# KiCad board hologram v3.kicad_pcb (continued)
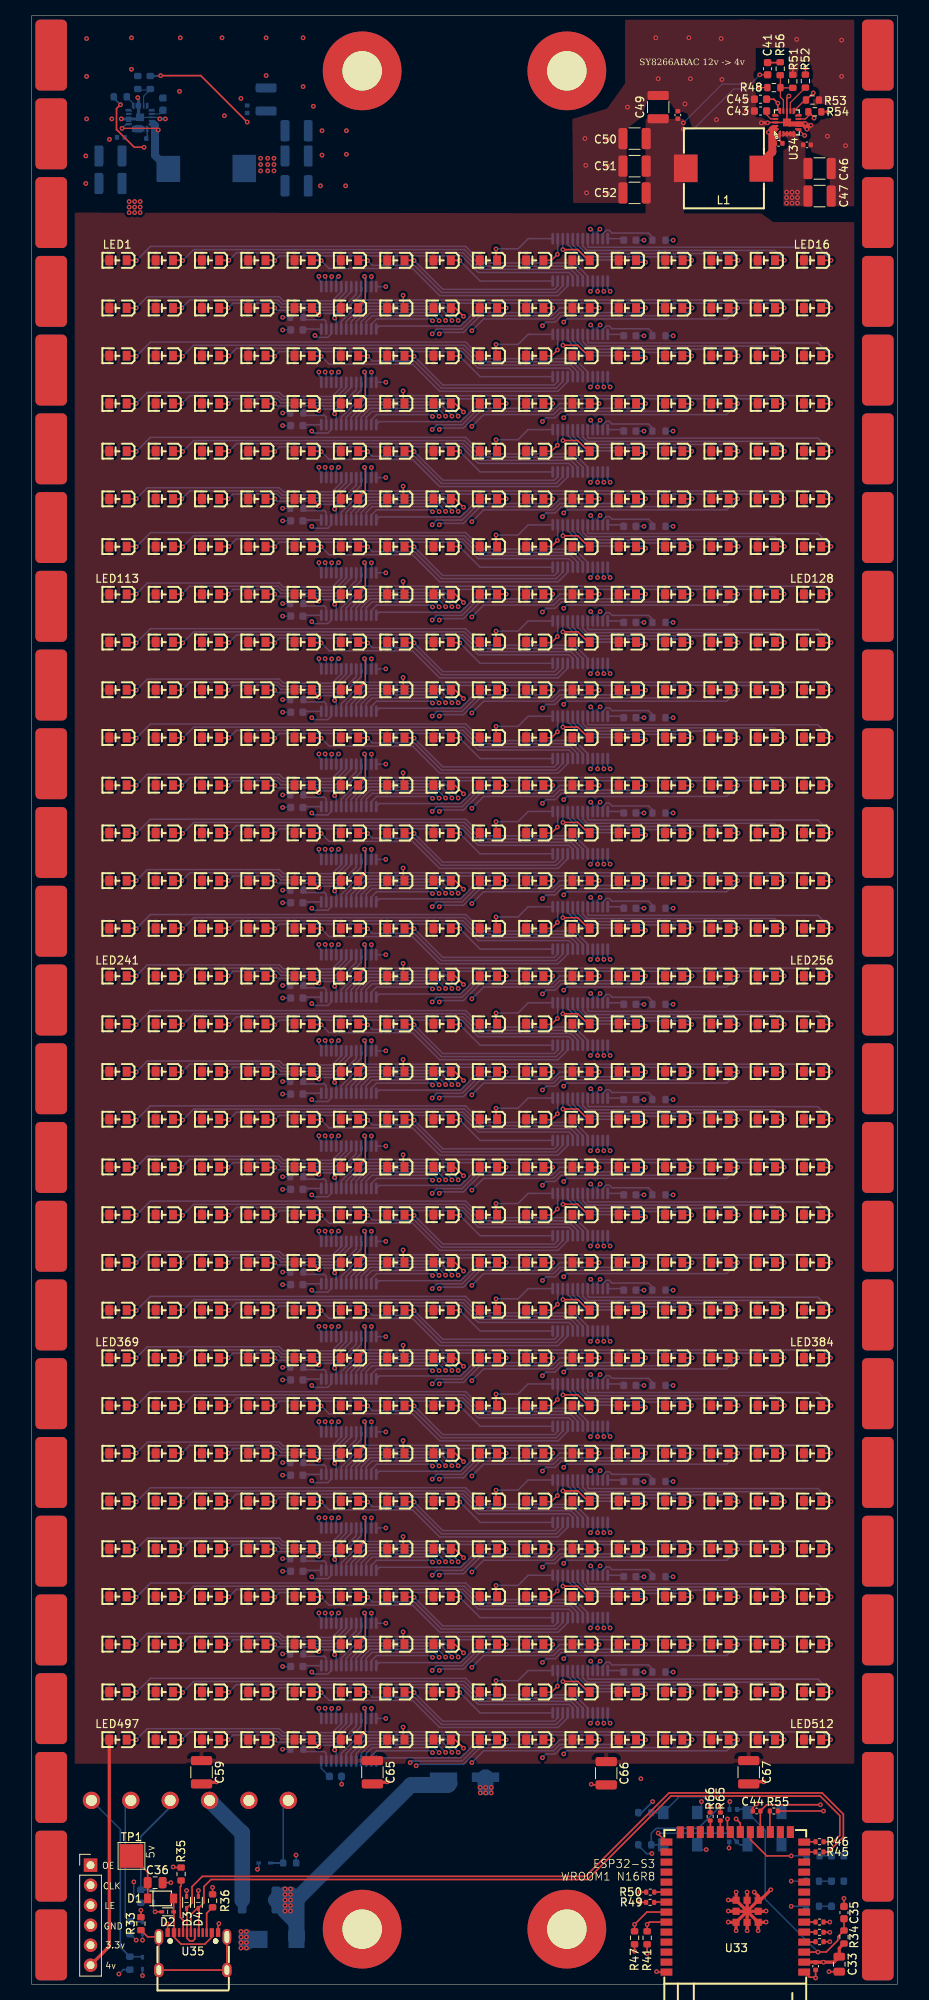
[diagram p0: board, top side]
## Routing (per net, layer and track width the routed paths; a pad name or vN(x,y) marks a point on that pad's centre or on a via; arc(x,y) is an arc through that point) (continued)
  In4.Cu w0.2: v1(50.94,174.92) 50.9,174.88 v1(50.9,173.25)
  Bottom w0.2: v1(66.2,176.55) 66.2,176.25 65.9,175.95 56.8,175.95 54.7,173.85 51.5,173.85 v1(50.9,173.25) ; v1(50.94,174.92) 50.71,175.15 43.83,175.15 43.16,174.48 U8.14
Net-(LED123-K): length 35.5
  Top w0.2: 70.76,176.53 72.08,176.53 v1(72.1,176.55)
  In4.Cu w0.2: v1(51.8,173.25) 51.8,174.9 v1(51.78,174.93)
  Bottom w0.2: v1(72.1,176.55) 67.1,176.55 66.1,175.55 56.97,175.55 56.97,175.53 54.87,173.43 51.98,173.43 v1(51.8,173.25) ; U8.15 42.52,174.81 43.26,175.55 51.15,175.55 v1(51.78,174.93)
Net-(LED124-K): length 41.1
  Top w0.2: v1(78,176.55) 77.98,176.53 76.64,176.53
  In4.Cu w0.2: v1(55.93,173.65) 53.8,173.65 52.6,174.85 v1(52.6,174.95)
  Bottom w0.2: v1(78,176.55) 77.4,175.95 67.1,175.95 66.3,175.15 57.43,175.15 v1(55.93,173.65) ; U8.16 41.89,174.81 43.03,175.95 51.6,175.95 v1(52.6,174.95)
Net-(LED125-K): length 47.5
  Top w0.2: 82.52,176.53 83.88,176.53 v1(83.9,176.55)
  In4.Cu w0.2: v1(64.9,174.28) 64.85,174.33 53.97,174.33 53.4,174.9 v1(53.4,174.95)
  Bottom w0.2: v1(53.4,174.95) 53.42,174.98 53.42,175.03 52.1,176.35 42.79,176.35 41.25,174.81 U8.17 ; v1(83.9,176.55) 82.9,175.55 67.3,175.55 66.5,174.75 65.38,174.75 v1(64.9,174.28)
Net-(LED126-K): length 53.8
  Top w0.2: v1(89.7,176.55) 89.68,176.53 88.4,176.53
  In4.Cu w0.2: v1(67.6,174.75) 67.48,174.88 54.28,174.88 v1(54.2,174.95)
  Bottom w0.2: v1(89.7,176.55) 88.3,175.15 68,175.15 v1(67.6,174.75) ; U8.18 40.62,174.81 42.56,176.75 52.5,176.75 54.2,175.05 v1(54.2,174.95)
Net-(LED127-K): length 59.1
  Top w0.2: v1(95.6,176.55) 95.58,176.53 94.29,176.53
  Bottom w0.2: U8.19 39.98,174.81 42.32,177.15 95,177.15 v1(95.6,176.55)
Net-(LED128-K): length 66
  Top w0.2: v1(101.5,176.55) 101.48,176.53 100.17,176.53
  Bottom w0.2: U8.20 39.35,174.81 42.09,177.55 100.5,177.55 v1(101.5,176.55)
Net-(LED129-K): length 61.7
  Top w0.2: 11.93,170.39 13.26,170.39 v1(13.3,170.35)
  Bottom w0.2: v1(13.3,170.35) 15.1,172.15 55.15,172.15 57.25,170.05 68.98,170.05 70.65,168.38 U9.5
Net-(LED130-K): length 54.8
  Top w0.2: v1(19.2,170.35) 19.16,170.39 17.81,170.39
  Bottom w0.2: U9.6 70.02,168.37 68.74,169.65 57.09,169.65 54.98,171.75 20.6,171.75 v1(19.2,170.35)
Net-(LED131-K): length 47.9
  Top w0.2: v1(25.06,170.39) 23.7,170.39
  Bottom w0.2: v1(25.06,170.39) 26.02,171.35 54.82,171.35 56.92,169.25 68.51,169.25 69.38,168.38 U9.7
Net-(LED132-K): length 41.1
  Top w0.2: v1(30.9,170.35) 30.86,170.39 29.58,170.39
  Bottom w0.2: v1(30.9,170.35) 31.5,170.95 54.65,170.95 56.75,168.85 68.27,168.85 68.75,168.37 U9.8
Net-(LED133-K): length 35.6
  Top w0.2: v1(36.8,170.35) 36.76,170.39 35.46,170.39
  Bottom w0.2: U9.9 68.11,167.14 66.88,165.91 51.84,165.91 48.4,169.35 37.8,169.35 v1(36.8,170.35)
Net-(LED134-K): length 28.8
  Top w0.2: 41.34,170.39 42.66,170.39 v1(42.7,170.35)
  Bottom w0.2: v1(42.7,170.35) 43.3,169.75 48.63,169.75 52.07,166.31 66.64,166.31 67.48,167.15 U9.10
Net-(LED135-K): length 21.9
  Top w0.2: v1(48.6,170.35) 48.56,170.39 47.23,170.39
  Bottom w0.2: v1(48.6,170.35) 52.24,166.71 66.41,166.71 66.84,167.14 U9.11
Net-(LED136-K): length 14.2
  Top w0.2: v1(54.4,170.35) 54.36,170.39 53.11,170.39
  Bottom w0.2: U9.12 56.99,167.76 v1(54.4,170.35)
Net-(LED137-K): length 9.2
  Top w0.2: v1(59,171.85) 59,170.4 58.99,170.39
  Bottom w0.2: U9.13 63.09,173.14 61.8,171.85 v1(59,171.85)
Net-(LED138-K): length 4.2
  Top w0.2: 64.87,170.39 66.04,170.39 v1(66.8,171.15)
  Bottom w0.2: U9.14 66.84,171.29 66.8,171.25 v1(66.8,171.15)
Net-(LED139-K): length 5.9
  Top w0.2: v1(67.5,171.75) 69.4,171.75 70.76,170.39
  Bottom w0.2: v1(67.5,171.75) 67.5,173.12 U9.15 67.48,172.47
Net-(LED140-K): length 13.1
  Top w0.2: 76.64,170.39 76.88,170.15 v1(78,170.15)
  Bottom w0.2: v1(78,170.15) 78,170.35 77.9,170.45 70.09,170.45 68.11,172.42 U9.16
Net-(LED141-K): length 18.1
  Top w0.2: v1(83.86,170.39) 82.52,170.39
  Bottom w0.2: U9.17 68.75,172.35 70.25,170.85 83.4,170.85 v1(83.86,170.39)
Net-(LED142-K): length 23.4
  Top w0.2: v1(89.76,170.39) 88.4,170.39
  Bottom w0.2: U9.18 69.38,172.29 70.42,171.25 88.9,171.25 v1(89.76,170.39)
Net-(LED143-K): length 28.7
  Top w0.2: v1(95.64,170.39) 94.29,170.39
  Bottom w0.2: v1(95.64,170.39) 94.38,171.65 70.58,171.65 70.02,172.21 U9.19
Net-(LED144-K): length 34
  Top w0.2: v1(101.56,170.39) 100.17,170.39
  Bottom w0.2: v1(101.56,170.39) 99.9,172.05 70.75,172.05 70.65,172.15 U9.20
Net-(LED145-K): length 29.3
  Top w0.2: 11.93,164.33 13.28,164.33 v1(13.3,164.35)
  Bottom w0.2: U10.5 39.35,166.4 38.2,165.25 31.98,165.25 31.48,165.75 14.7,165.75 v1(13.3,164.35)
Net-(LED146-K): length 24.1
  Top w0.2: v1(19.1,164.35) 19.08,164.33 17.81,164.33
  Bottom w0.2: U10.6 39.98,166.42 38.41,164.85 31.82,164.85 31.32,165.35 30.48,165.35 30.48,165.35 20.1,165.35 v1(19.1,164.35)
Net-(LED147-K): length 18.8
  Top w0.2: 23.7,164.33 24.98,164.33 v1(25,164.35)
  Bottom w0.2: U10.7 40.62,166.43 38.64,164.45 31.65,164.45 31.15,164.95 30.65,164.95 30.65,164.95 25.6,164.95 v1(25,164.35)
Net-(LED148-K): length 13.6
  Top w0.2: 29.58,164.33 30.88,164.33 v1(30.9,164.35)
  Bottom w0.2: v1(30.9,164.35) 31.2,164.05 39.21,164.05 41.25,166.09 U10.8
Net-(LED149-K): length 8.8
  Top w0.2: 35.46,164.33 35.62,164.33 v1(36.5,163.45)
  Bottom w0.2: v1(36.5,163.45) 36.7,163.65 39.45,163.65 41.89,166.09 U10.9
Net-(LED150-K): length 5.9
  Top w0.2: v1(42.3,168.35) 42.4,168.25 42.4,165.39 41.34,164.33
  Bottom w0.2: v1(42.3,168.35) 42.52,168.13 U10.10
Net-(LED151-K): length 8.2
  Top w0.2: 47.23,164.33 47.23,165.93 v1(47.2,165.95)
  In4.Cu w0.2: v1(43.18,168.33) 43.18,167.98 45.2,165.95 v1(47.2,165.95)
  Bottom w0.2: v1(43.18,168.33) 43.2,168.3 43.2,167.08 U10.11
Net-(LED152-K): length 14.9
  Top w0.2: v1(54.88,163.28) 53.82,164.33 53.11,164.33
  In4.Cu w0.2: v1(54.88,163.28) 51.1,167.05 v1(45,167.05)
  Bottom w0.2: v1(45,167.05) 43.8,167.05 U10.12
Net-(LED153-K): length 18.9
  Top w0.2: 58.99,164.33 60.28,164.33 v1(60.3,164.35)
  Bottom w0.2: v1(60.3,164.35) 56.8,164.35 54.5,162.05 52.03,162.05 52.03,162.05 51.53,162.05 51.53,162.05 44.18,162.05 U10.13
Net-(LED154-K): length 28.6
  Top w0.2: 64.87,164.33 66.18,164.33 v1(66.2,164.35)
  In4.Cu w0.2: v1(50.94,162.72) 50.9,162.68 v1(50.9,161.05)
  Bottom w0.2: v1(50.9,161.05) 51.5,161.65 54.7,161.65 56.8,163.75 65.9,163.75 66.2,164.05 v1(66.2,164.35) ; U10.14 43.16,162.28 43.83,162.95 50.71,162.95 v1(50.94,162.72)
Net-(LED155-K): length 35.5
  Top w0.2: v1(72.1,164.35) 72.08,164.33 70.76,164.33
  In4.Cu w0.2: v1(51.78,162.73) 51.8,162.7 v1(51.8,161.05)
  Bottom w0.2: v1(51.78,162.73) 51.15,163.35 43.26,163.35 42.52,162.61 U10.15 ; v1(72.1,164.35) 67.1,164.35 66.1,163.35 56.97,163.35 56.97,163.33 54.87,161.23 51.98,161.23 v1(51.8,161.05)
Net-(LED156-K): length 41.1
  Top w0.2: 76.64,164.33 77.98,164.33 v1(78,164.35)
  In4.Cu w0.2: v1(52.6,162.75) 52.6,162.65 53.8,161.45 v1(55.93,161.45)
  Bottom w0.2: v1(78,164.35) 77.4,163.75 67.1,163.75 66.3,162.95 57.43,162.95 v1(55.93,161.45) ; v1(52.6,162.75) 51.6,163.75 43.03,163.75 41.89,162.61 U10.16
Net-(LED157-K): length 47.5
  Top w0.2: v1(83.9,164.35) 83.88,164.33 82.52,164.33
  In4.Cu w0.2: v1(53.4,162.75) 53.4,162.7 53.97,162.13 64.85,162.13 v1(64.9,162.08)
  Bottom w0.2: v1(64.9,162.08) 65.38,162.55 66.5,162.55 67.3,163.35 82.9,163.35 v1(83.9,164.35) ; v1(53.4,162.75) 53.42,162.78 53.42,162.83 52.1,164.15 42.79,164.15 41.25,162.61 U10.17
Net-(LED158-K): length 53.8
  Top w0.2: v1(89.7,164.35) 89.68,164.33 88.4,164.33
  In4.Cu w0.2: v1(67.6,162.55) 67.48,162.68 54.28,162.68 v1(54.2,162.75)
  Bottom w0.2: v1(89.7,164.35) 88.3,162.95 68,162.95 v1(67.6,162.55) ; v1(54.2,162.75) 54.2,162.85 52.5,164.55 42.56,164.55 40.62,162.61 U10.18
Net-(LED159-K): length 59.1
  Top w0.2: 94.29,164.33 95.58,164.33 v1(95.6,164.35)
  Bottom w0.2: v1(95.6,164.35) 95,164.95 42.32,164.95 39.98,162.61 U10.19
Net-(LED160-K): length 66
  Top w0.2: 100.17,164.33 101.48,164.33 v1(101.5,164.35)
  Bottom w0.2: U10.20 39.35,162.61 42.09,165.35 100.5,165.35 v1(101.5,164.35)
Net-(LED161-K): length 61.7
  Top w0.2: 11.93,158.29 13.26,158.29 v1(13.3,158.25)
  Bottom w0.2: v1(13.3,158.25) 15.1,160.05 55.15,160.05 57.25,157.95 68.98,157.95 70.65,156.28 U11.5
Net-(LED162-K): length 54.8
  Top w0.2: v1(19.2,158.25) 19.16,158.29 17.81,158.29
  Bottom w0.2: U11.6 70.02,156.27 68.74,157.55 57.09,157.55 54.98,159.65 20.6,159.65 v1(19.2,158.25)
Net-(LED163-K): length 47.9
  Top w0.2: v1(25.06,158.29) 23.7,158.29
  Bottom w0.2: U11.7 69.38,156.28 68.51,157.15 56.92,157.15 54.82,159.25 26.02,159.25 v1(25.06,158.29)
Net-(LED164-K): length 41.1
  Top w0.2: v1(30.9,158.25) 30.86,158.29 29.58,158.29
  Bottom w0.2: U11.8 68.75,156.27 68.27,156.75 56.75,156.75 54.65,158.85 31.5,158.85 v1(30.9,158.25)
Net-(LED165-K): length 35.6
  Top w0.2: 35.46,158.29 36.76,158.29 v1(36.8,158.25)
  Bottom w0.2: U11.9 68.11,155.04 66.88,153.81 51.84,153.81 48.4,157.25 37.8,157.25 v1(36.8,158.25)
Net-(LED166-K): length 28.8
  Top w0.2: v1(42.7,158.25) 42.66,158.29 41.34,158.29
  Bottom w0.2: v1(42.7,158.25) 43.3,157.65 48.63,157.65 52.07,154.21 66.64,154.21 67.48,155.05 U11.10
Net-(LED167-K): length 21.9
  Top w0.2: v1(48.6,158.25) 48.56,158.29 47.23,158.29
  Bottom w0.2: U11.11 66.84,155.04 66.41,154.61 52.24,154.61 v1(48.6,158.25)
Net-(LED168-K): length 14.2
  Top w0.2: 53.11,158.29 54.36,158.29 v1(54.4,158.25)
  Bottom w0.2: v1(54.4,158.25) 56.99,155.66 U11.12
Net-(LED169-K): length 9.2
  Top w0.2: v1(59,159.75) 59,158.3 58.99,158.29
  Bottom w0.2: U11.13 63.09,161.04 61.8,159.75 v1(59,159.75)
Net-(LED170-K): length 4.2
  Top w0.2: 64.87,158.29 66.04,158.29 v1(66.8,159.05)
  Bottom w0.2: v1(66.8,159.05) 66.8,159.15 66.84,159.19 U11.14
Net-(LED171-K): length 5.9
  Top w0.2: v1(67.5,159.65) 69.4,159.65 70.76,158.29
  Bottom w0.2: 67.48,160.37 U11.15 67.5,161.02 v1(67.5,159.65)
Net-(LED172-K): length 13.1
  Top w0.2: 76.64,158.29 76.88,158.05 v1(78,158.05)
  Bottom w0.2: v1(78,158.05) 78,158.25 77.9,158.35 70.09,158.35 68.11,160.32 U11.16
Net-(LED173-K): length 18.1
  Top w0.2: v1(83.86,158.29) 82.52,158.29
  Bottom w0.2: v1(83.86,158.29) 83.4,158.75 70.25,158.75 68.75,160.25 U11.17
Net-(LED174-K): length 23.4
  Top w0.2: v1(89.76,158.29) 88.4,158.29
  Bottom w0.2: U11.18 69.38,160.19 70.42,159.15 88.9,159.15 v1(89.76,158.29)
Net-(LED175-K): length 28.7
  Top w0.2: v1(95.64,158.29) 94.29,158.29
  Bottom w0.2: v1(95.64,158.29) 94.38,159.55 70.58,159.55 70.02,160.11 U11.19
Net-(LED176-K): length 34
  Top w0.2: v1(101.56,158.29) 100.17,158.29
  Bottom w0.2: v1(101.56,158.29) 99.9,159.95 70.75,159.95 70.65,160.05 U11.20
Net-(LED177-K): length 29.3
  Top w0.2: 11.93,152.23 13.28,152.23 v1(13.3,152.25)
  Bottom w0.2: v1(13.3,152.25) 14.7,153.65 31.48,153.65 31.98,153.15 38.2,153.15 39.35,154.3 U12.5
Net-(LED178-K): length 24.1
  Top w0.2: 17.81,152.23 19.08,152.23 v1(19.1,152.25)
  Bottom w0.2: U12.6 39.98,154.32 38.41,152.75 31.82,152.75 31.32,153.25 30.48,153.25 30.48,153.25 20.1,153.25 v1(19.1,152.25)
Net-(LED179-K): length 18.8
  Top w0.2: 23.7,152.23 24.98,152.23 v1(25,152.25)
  Bottom w0.2: U12.7 40.62,154.33 38.64,152.35 31.65,152.35 31.15,152.85 30.65,152.85 30.65,152.85 25.6,152.85 v1(25,152.25)
Net-(LED180-K): length 13.6
  Top w0.2: 29.58,152.23 30.88,152.23 v1(30.9,152.25)
  Bottom w0.2: U12.8 41.25,153.99 39.21,151.95 31.2,151.95 v1(30.9,152.25)
Net-(LED181-K): length 8.8
  Top w0.2: v1(36.5,151.35) 35.62,152.23 35.46,152.23
  Bottom w0.2: v1(36.5,151.35) 36.7,151.55 39.45,151.55 41.89,153.99 U12.9
Net-(LED182-K): length 5.9
  Top w0.2: v1(42.3,156.25) 42.4,156.15 42.4,153.29 41.34,152.23
  Bottom w0.2: v1(42.3,156.25) 42.52,156.03 U12.10
Net-(LED183-K): length 8.2
  Top w0.2: v1(47.2,153.85) 47.23,153.83 47.23,152.23
  In4.Cu w0.2: v1(47.2,153.85) 45.2,153.85 43.18,155.88 v1(43.18,156.23)
  Bottom w0.2: U12.11 43.2,154.98 43.2,156.2 v1(43.18,156.23)
Net-(LED184-K): length 14.9
  Top w0.2: v1(54.88,151.18) 53.82,152.23 53.11,152.23
  In4.Cu w0.2: v1(45,154.95) 51.1,154.95 v1(54.88,151.18)
  Bottom w0.2: U12.12 43.8,154.95 v1(45,154.95)
Net-(LED185-K): length 18.9
  Top w0.2: v1(60.3,152.25) 60.28,152.23 58.99,152.23
  Bottom w0.2: v1(60.3,152.25) 56.8,152.25 54.5,149.95 52.03,149.95 52.03,149.95 51.53,149.95 51.53,149.95 44.18,149.95 U12.13
Net-(LED186-K): length 28.6
  Top w0.2: 64.87,152.23 66.18,152.23 v1(66.2,152.25)
  In4.Cu w0.2: v1(50.94,150.62) 50.9,150.58 v1(50.9,148.95)
  Bottom w0.2: U12.14 43.16,150.18 43.83,150.85 50.71,150.85 v1(50.94,150.62) ; v1(66.2,152.25) 66.2,151.95 65.9,151.65 56.8,151.65 54.7,149.55 51.5,149.55 v1(50.9,148.95)
Net-(LED187-K): length 35.5
  Top w0.2: 70.76,152.23 72.08,152.23 v1(72.1,152.25)
  In4.Cu w0.2: v1(51.78,150.63) 51.8,150.6 v1(51.8,148.95)
  Bottom w0.2: v1(51.8,148.95) 51.98,149.13 54.87,149.13 56.97,151.23 56.97,151.25 66.1,151.25 67.1,152.25 v1(72.1,152.25) ; v1(51.78,150.63) 51.15,151.25 43.26,151.25 42.52,150.51 U12.15
Net-(LED188-K): length 41.1
  Top w0.2: v1(78,152.25) 77.98,152.23 76.64,152.23
  In4.Cu w0.2: v1(55.93,149.35) 53.8,149.35 52.6,150.55 v1(52.6,150.65)
  Bottom w0.2: v1(52.6,150.65) 51.6,151.65 43.03,151.65 41.89,150.51 U12.16 ; v1(55.93,149.35) 57.43,150.85 66.3,150.85 67.1,151.65 77.4,151.65 v1(78,152.25)
Net-(LED189-K): length 47.5
  Top w0.2: 82.52,152.23 83.88,152.23 v1(83.9,152.25)
  In4.Cu w0.2: v1(64.9,149.98) 64.85,150.03 53.97,150.03 53.4,150.6 v1(53.4,150.65)
  Bottom w0.2: v1(83.9,152.25) 82.9,151.25 67.3,151.25 66.5,150.45 65.38,150.45 v1(64.9,149.98) ; U12.17 41.25,150.51 42.79,152.05 52.1,152.05 53.42,150.73 53.42,150.68 v1(53.4,150.65)
Net-(LED190-K): length 53.8
  Top w0.2: v1(89.7,152.25) 89.68,152.23 88.4,152.23
  In4.Cu w0.2: v1(54.2,150.65) 54.28,150.58 67.48,150.58 v1(67.6,150.45)
  Bottom w0.2: v1(54.2,150.65) 54.2,150.75 52.5,152.45 42.56,152.45 40.62,150.51 U12.18 ; v1(67.6,150.45) 68,150.85 88.3,150.85 v1(89.7,152.25)
Net-(LED191-K): length 59.1
  Top w0.2: 94.29,152.23 95.58,152.23 v1(95.6,152.25)
  Bottom w0.2: v1(95.6,152.25) 95,152.85 42.32,152.85 39.98,150.51 U12.19
Net-(LED192-K): length 66
  Top w0.2: v1(101.5,152.25) 101.48,152.23 100.17,152.23
  Bottom w0.2: v1(101.5,152.25) 100.5,153.25 42.09,153.25 39.35,150.51 U12.20
Net-(LED193-K): length 61.7
  Top w0.2: v1(13.3,146.15) 13.26,146.19 11.93,146.19
  Bottom w0.2: U13.5 70.65,144.18 68.98,145.85 57.25,145.85 55.15,147.95 15.1,147.95 v1(13.3,146.15)
Net-(LED194-K): length 54.8
  Top w0.2: v1(19.2,146.15) 19.16,146.19 17.81,146.19
  Bottom w0.2: v1(19.2,146.15) 20.6,147.55 54.98,147.55 57.09,145.45 68.74,145.45 70.02,144.17 U13.6
Net-(LED195-K): length 47.9
  Top w0.2: v1(25.06,146.19) 23.7,146.19
  Bottom w0.2: v1(25.06,146.19) 26.02,147.15 54.82,147.15 56.92,145.05 68.51,145.05 69.38,144.18 U13.7
Net-(LED196-K): length 41.1
  Top w0.2: v1(30.9,146.15) 30.86,146.19 29.58,146.19
  Bottom w0.2: v1(30.9,146.15) 31.5,146.75 54.65,146.75 56.75,144.65 68.27,144.65 68.75,144.17 U13.8
Net-(LED197-K): length 35.6
  Top w0.2: 35.46,146.19 36.76,146.19 v1(36.8,146.15)
  Bottom w0.2: v1(36.8,146.15) 37.8,145.15 48.4,145.15 51.84,141.71 66.88,141.71 68.11,142.94 U13.9
Net-(LED198-K): length 28.8
  Top w0.2: v1(42.7,146.15) 42.66,146.19 41.34,146.19
  Bottom w0.2: U13.10 67.48,142.95 66.64,142.11 52.07,142.11 48.63,145.55 43.3,145.55 v1(42.7,146.15)
Net-(LED199-K): length 21.9
  Top w0.2: v1(48.6,146.15) 48.56,146.19 47.23,146.19
  Bottom w0.2: v1(48.6,146.15) 52.24,142.51 66.41,142.51 66.84,142.94 U13.11
Net-(LED200-K): length 14.2
  Top w0.2: v1(54.4,146.15) 54.36,146.19 53.11,146.19
  Bottom w0.2: v1(54.4,146.15) 56.99,143.56 U13.12
Net-(LED201-K): length 9.2
  Top w0.2: 58.99,146.19 59,146.2 v1(59,147.65)
  Bottom w0.2: v1(59,147.65) 61.8,147.65 63.09,148.94 U13.13
Net-(LED202-K): length 4.2
  Top w0.2: 64.87,146.19 66.04,146.19 v1(66.8,146.95)
  Bottom w0.2: U13.14 66.84,147.09 66.8,147.05 v1(66.8,146.95)
Net-(LED203-K): length 5.9
  Top w0.2: 70.76,146.19 69.4,147.55 v1(67.5,147.55)
  Bottom w0.2: 67.48,148.27 U13.15 67.5,148.92 v1(67.5,147.55)
Net-(LED204-K): length 13.1
  Top w0.2: v1(78,145.95) 76.88,145.95 76.64,146.19
  Bottom w0.2: U13.16 68.11,148.22 70.09,146.25 77.9,146.25 78,146.15 v1(78,145.95)
Net-(LED205-K): length 18.1
  Top w0.2: v1(83.86,146.19) 82.52,146.19
  Bottom w0.2: U13.17 68.75,148.15 70.25,146.65 83.4,146.65 v1(83.86,146.19)
Net-(LED206-K): length 23.4
  Top w0.2: v1(89.76,146.19) 88.4,146.19
  Bottom w0.2: v1(89.76,146.19) 88.9,147.05 70.42,147.05 69.38,148.09 U13.18
Net-(LED207-K): length 28.7
  Top w0.2: v1(95.64,146.19) 94.29,146.19
  Bottom w0.2: v1(95.64,146.19) 94.38,147.45 70.58,147.45 70.02,148.01 U13.19
Net-(LED208-K): length 34
  Top w0.2: v1(101.56,146.19) 100.17,146.19
  Bottom w0.2: v1(101.56,146.19) 99.9,147.85 70.75,147.85 70.65,147.95 U13.20
Net-(LED209-K): length 29.3
  Top w0.2: 11.93,140.13 13.28,140.13 v1(13.3,140.15)
  Bottom w0.2: U14.5 39.35,142.2 38.2,141.05 31.98,141.05 31.48,141.55 14.7,141.55 v1(13.3,140.15)
Net-(LED210-K): length 24.1
  Top w0.2: v1(19.1,140.15) 19.08,140.13 17.81,140.13
  Bottom w0.2: v1(19.1,140.15) 20.1,141.15 30.48,141.15 30.48,141.15 31.32,141.15 31.82,140.65 38.41,140.65 39.98,142.22 U14.6
Net-(LED211-K): length 18.8
  Top w0.2: 23.7,140.13 24.98,140.13 v1(25,140.15)
  Bottom w0.2: U14.7 40.62,142.23 38.64,140.25 31.65,140.25 31.15,140.75 30.65,140.75 30.65,140.75 25.6,140.75 v1(25,140.15)
Net-(LED212-K): length 13.6
  Top w0.2: 29.58,140.13 30.88,140.13 v1(30.9,140.15)
  Bottom w0.2: U14.8 41.25,141.89 39.21,139.85 31.2,139.85 v1(30.9,140.15)
Net-(LED213-K): length 8.8
  Top w0.2: 35.46,140.13 35.62,140.13 v1(36.5,139.25)
  Bottom w0.2: v1(36.5,139.25) 36.7,139.45 39.45,139.45 41.89,141.89 U14.9
Net-(LED214-K): length 5.9
  Top w0.2: v1(42.3,144.15) 42.4,144.05 42.4,141.19 41.34,140.13
  Bottom w0.2: v1(42.3,144.15) 42.52,143.93 U14.10
Net-(LED215-K): length 8.2
  Top w0.2: 47.23,140.13 47.23,141.73 v1(47.2,141.75)
  In4.Cu w0.2: v1(47.2,141.75) 45.2,141.75 43.18,143.78 v1(43.18,144.13)
  Bottom w0.2: U14.11 43.2,142.88 43.2,144.1 v1(43.18,144.13)
Net-(LED216-K): length 14.9
  Top w0.2: 53.11,140.13 53.82,140.13 v1(54.88,139.08)
  In4.Cu w0.2: v1(54.88,139.08) 51.1,142.85 v1(45,142.85)
  Bottom w0.2: U14.12 43.8,142.85 v1(45,142.85)
Net-(LED217-K): length 18.9
  Top w0.2: 58.99,140.13 60.28,140.13 v1(60.3,140.15)
  Bottom w0.2: v1(60.3,140.15) 56.8,140.15 54.5,137.85 52.03,137.85 52.03,137.85 51.53,137.85 51.53,137.85 44.18,137.85 U14.13
Net-(LED218-K): length 28.6
  Top w0.2: 64.87,140.13 66.18,140.13 v1(66.2,140.15)
  In4.Cu w0.2: v1(50.9,136.85) 50.9,138.48 v1(50.94,138.52)
  Bottom w0.2: v1(50.94,138.52) 50.71,138.75 43.83,138.75 43.16,138.08 U14.14 ; v1(66.2,140.15) 66.2,139.85 65.9,139.55 56.8,139.55 54.7,137.45 51.5,137.45 v1(50.9,136.85)
Net-(LED219-K): length 35.5
  Top w0.2: 70.76,140.13 72.08,140.13 v1(72.1,140.15)
  In4.Cu w0.2: v1(51.78,138.53) 51.8,138.5 v1(51.8,136.85)
  Bottom w0.2: v1(72.1,140.15) 67.1,140.15 66.1,139.15 56.97,139.15 56.97,139.13 54.87,137.03 51.98,137.03 v1(51.8,136.85) ; U14.15 42.52,138.41 43.26,139.15 51.15,139.15 v1(51.78,138.53)
Net-(LED220-K): length 41.1
  Top w0.2: 76.64,140.13 77.98,140.13 v1(78,140.15)
  In4.Cu w0.2: v1(52.6,138.55) 52.6,138.45 53.8,137.25 v1(55.93,137.25)
  Bottom w0.2: U14.16 41.89,138.41 43.03,139.55 51.6,139.55 v1(52.6,138.55) ; v1(78,140.15) 77.4,139.55 67.1,139.55 66.3,138.75 57.43,138.75 v1(55.93,137.25)
Net-(LED221-K): length 47.5
  Top w0.2: v1(83.9,140.15) 83.88,140.13 82.52,140.13
  In4.Cu w0.2: v1(53.4,138.55) 53.4,138.5 53.97,137.93 64.85,137.93 v1(64.9,137.88)
  Bottom w0.2: v1(83.9,140.15) 82.9,139.15 67.3,139.15 66.5,138.35 65.38,138.35 v1(64.9,137.88) ; U14.17 41.25,138.41 42.79,139.95 52.1,139.95 53.42,138.63 53.42,138.58 v1(53.4,138.55)
Net-(LED222-K): length 53.8
  Top w0.2: v1(89.7,140.15) 89.68,140.13 88.4,140.13
  In4.Cu w0.2: v1(54.2,138.55) 54.28,138.48 67.48,138.48 v1(67.6,138.35)
  Bottom w0.2: v1(89.7,140.15) 88.3,138.75 68,138.75 v1(67.6,138.35) ; U14.18 40.62,138.41 42.56,140.35 52.5,140.35 54.2,138.65 v1(54.2,138.55)
Net-(LED223-K): length 59.1
  Top w0.2: v1(95.6,140.15) 95.58,140.13 94.29,140.13
  Bottom w0.2: U14.19 39.98,138.41 42.32,140.75 95,140.75 v1(95.6,140.15)
Net-(LED224-K): length 66
  Top w0.2: 100.17,140.13 101.48,140.13 v1(101.5,140.15)
  Bottom w0.2: U14.20 39.35,138.41 42.09,141.15 100.5,141.15 v1(101.5,140.15)
Net-(LED225-K): length 61.7
  Top w0.2: 11.93,134.09 13.26,134.09 v1(13.3,134.05)
  Bottom w0.2: v1(13.3,134.05) 15.1,135.85 55.15,135.85 57.25,133.75 68.98,133.75 70.65,132.08 U15.5
Net-(LED226-K): length 54.8
  Top w0.2: v1(19.2,134.05) 19.16,134.09 17.81,134.09
  Bottom w0.2: v1(19.2,134.05) 20.6,135.45 54.98,135.45 57.09,133.35 68.74,133.35 70.02,132.07 U15.6
Net-(LED227-K): length 47.9
  Top w0.2: v1(25.06,134.09) 23.7,134.09
  Bottom w0.2: U15.7 69.38,132.08 68.51,132.95 56.92,132.95 54.82,135.05 26.02,135.05 v1(25.06,134.09)
Net-(LED228-K): length 41.1
  Top w0.2: 29.58,134.09 30.86,134.09 v1(30.9,134.05)
  Bottom w0.2: U15.8 68.75,132.07 68.27,132.55 56.75,132.55 54.65,134.65 31.5,134.65 v1(30.9,134.05)
Net-(LED229-K): length 35.6
  Top w0.2: 35.46,134.09 36.76,134.09 v1(36.8,134.05)
  Bottom w0.2: U15.9 68.11,130.84 66.88,129.61 51.84,129.61 48.4,133.05 37.8,133.05 v1(36.8,134.05)
Net-(LED230-K): length 28.8
  Top w0.2: v1(42.7,134.05) 42.66,134.09 41.34,134.09
  Bottom w0.2: v1(42.7,134.05) 43.3,133.45 48.63,133.45 52.07,130.01 66.64,130.01 67.48,130.85 U15.10
Net-(LED231-K): length 21.9
  Top w0.2: 47.23,134.09 48.56,134.09 v1(48.6,134.05)
  Bottom w0.2: v1(48.6,134.05) 52.24,130.41 66.41,130.41 66.84,130.84 U15.11
Net-(LED232-K): length 14.2
  Top w0.2: 53.11,134.09 54.36,134.09 v1(54.4,134.05)
  Bottom w0.2: U15.12 56.99,131.46 v1(54.4,134.05)
Net-(LED233-K): length 9.2
  Top w0.2: 58.99,134.09 59,134.1 v1(59,135.55)
  Bottom w0.2: v1(59,135.55) 61.8,135.55 63.09,136.84 U15.13
Net-(LED234-K): length 4.2
  Top w0.2: 64.87,134.09 66.04,134.09 v1(66.8,134.85)
  Bottom w0.2: U15.14 66.84,134.99 66.8,134.95 v1(66.8,134.85)
Net-(LED235-K): length 5.9
  Top w0.2: 70.76,134.09 69.4,135.45 v1(67.5,135.45)
  Bottom w0.2: 67.48,136.17 U15.15 67.5,136.82 v1(67.5,135.45)
Net-(LED236-K): length 13.1
  Top w0.2: v1(78,133.85) 76.88,133.85 76.64,134.09
  Bottom w0.2: v1(78,133.85) 78,134.05 77.9,134.15 70.09,134.15 68.11,136.12 U15.16
Net-(LED237-K): length 18.1
  Top w0.2: v1(83.86,134.09) 82.52,134.09
  Bottom w0.2: v1(83.86,134.09) 83.4,134.55 70.25,134.55 68.75,136.05 U15.17
Net-(LED238-K): length 23.4
  Top w0.2: v1(89.76,134.09) 88.4,134.09
  Bottom w0.2: v1(89.76,134.09) 88.9,134.95 70.42,134.95 69.38,135.99 U15.18
Net-(LED239-K): length 28.7
  Top w0.2: v1(95.64,134.09) 94.29,134.09
  Bottom w0.2: v1(95.64,134.09) 94.38,135.35 70.58,135.35 70.02,135.91 U15.19
Net-(LED240-K): length 34
  Top w0.2: v1(101.56,134.09) 100.17,134.09
  Bottom w0.2: U15.20 70.65,135.85 70.75,135.75 99.9,135.75 v1(101.56,134.09)
Net-(LED241-K): length 29.3
  Top w0.2: 11.93,128.03 13.28,128.03 v1(13.3,128.05)
  Bottom w0.2: v1(13.3,128.05) 14.7,129.45 31.48,129.45 31.98,128.95 38.2,128.95 39.35,130.1 U16.5
Net-(LED242-K): length 24.1
  Top w0.2: 17.81,128.03 19.08,128.03 v1(19.1,128.05)
  Bottom w0.2: U16.6 39.98,130.12 38.41,128.55 31.82,128.55 31.32,129.05 30.48,129.05 30.48,129.05 20.1,129.05 v1(19.1,128.05)
Net-(LED243-K): length 18.8
  Top w0.2: 23.7,128.03 24.98,128.03 v1(25,128.05)
  Bottom w0.2: U16.7 40.62,130.13 38.64,128.15 31.65,128.15 31.15,128.65 30.65,128.65 30.65,128.65 25.6,128.65 v1(25,128.05)
Net-(LED244-K): length 13.6
  Top w0.2: 29.58,128.03 30.88,128.03 v1(30.9,128.05)
  Bottom w0.2: U16.8 41.25,129.79 39.21,127.75 31.2,127.75 v1(30.9,128.05)
Net-(LED245-K): length 8.8
  Top w0.2: v1(36.5,127.15) 35.62,128.03 35.46,128.03
  Bottom w0.2: U16.9 41.89,129.79 39.45,127.35 36.7,127.35 v1(36.5,127.15)
Net-(LED246-K): length 5.9
  Top w0.2: 41.34,128.03 42.4,129.09 42.4,131.95 v1(42.3,132.05)
  Bottom w0.2: U16.10 42.52,131.83 v1(42.3,132.05)
Net-(LED247-K): length 8.2
  Top w0.2: v1(47.2,129.65) 47.23,129.63 47.23,128.03
  In4.Cu w0.2: v1(47.2,129.65) 45.2,129.65 43.18,131.68 v1(43.18,132.03)
  Bottom w0.2: U16.11 43.2,130.78 43.2,132 v1(43.18,132.03)
Net-(LED248-K): length 14.9
  Top w0.2: 53.11,128.03 53.82,128.03 v1(54.88,126.98)
  In4.Cu w0.2: v1(45,130.75) 51.1,130.75 v1(54.88,126.98)
  Bottom w0.2: v1(45,130.75) 43.8,130.75 U16.12
Net-(LED249-K): length 18.9
  Top w0.2: 58.99,128.03 60.28,128.03 v1(60.3,128.05)
  Bottom w0.2: U16.13 44.18,125.75 51.53,125.75 51.53,125.75 52.03,125.75 52.03,125.75 54.5,125.75 56.8,128.05 v1(60.3,128.05)
Net-(LED250-K): length 28.6
  Top w0.2: 64.87,128.03 66.18,128.03 v1(66.2,128.05)
  In4.Cu w0.2: v1(50.9,124.75) 50.9,126.38 v1(50.94,126.42)
  Bottom w0.2: v1(50.94,126.42) 50.71,126.65 43.83,126.65 43.16,125.98 U16.14 ; v1(66.2,128.05) 66.2,127.75 65.9,127.45 56.8,127.45 54.7,125.35 51.5,125.35 v1(50.9,124.75)
Net-(LED251-K): length 35.5
  Top w0.2: 70.76,128.03 72.08,128.03 v1(72.1,128.05)
  In4.Cu w0.2: v1(51.78,126.43) 51.8,126.4 v1(51.8,124.75)
  Bottom w0.2: v1(51.78,126.43) 51.15,127.05 43.26,127.05 42.52,126.31 U16.15 ; v1(51.8,124.75) 51.98,124.93 54.87,124.93 56.97,127.03 56.97,127.05 66.1,127.05 67.1,128.05 v1(72.1,128.05)
